# KiCad board JL.kicad_pcb (continued)
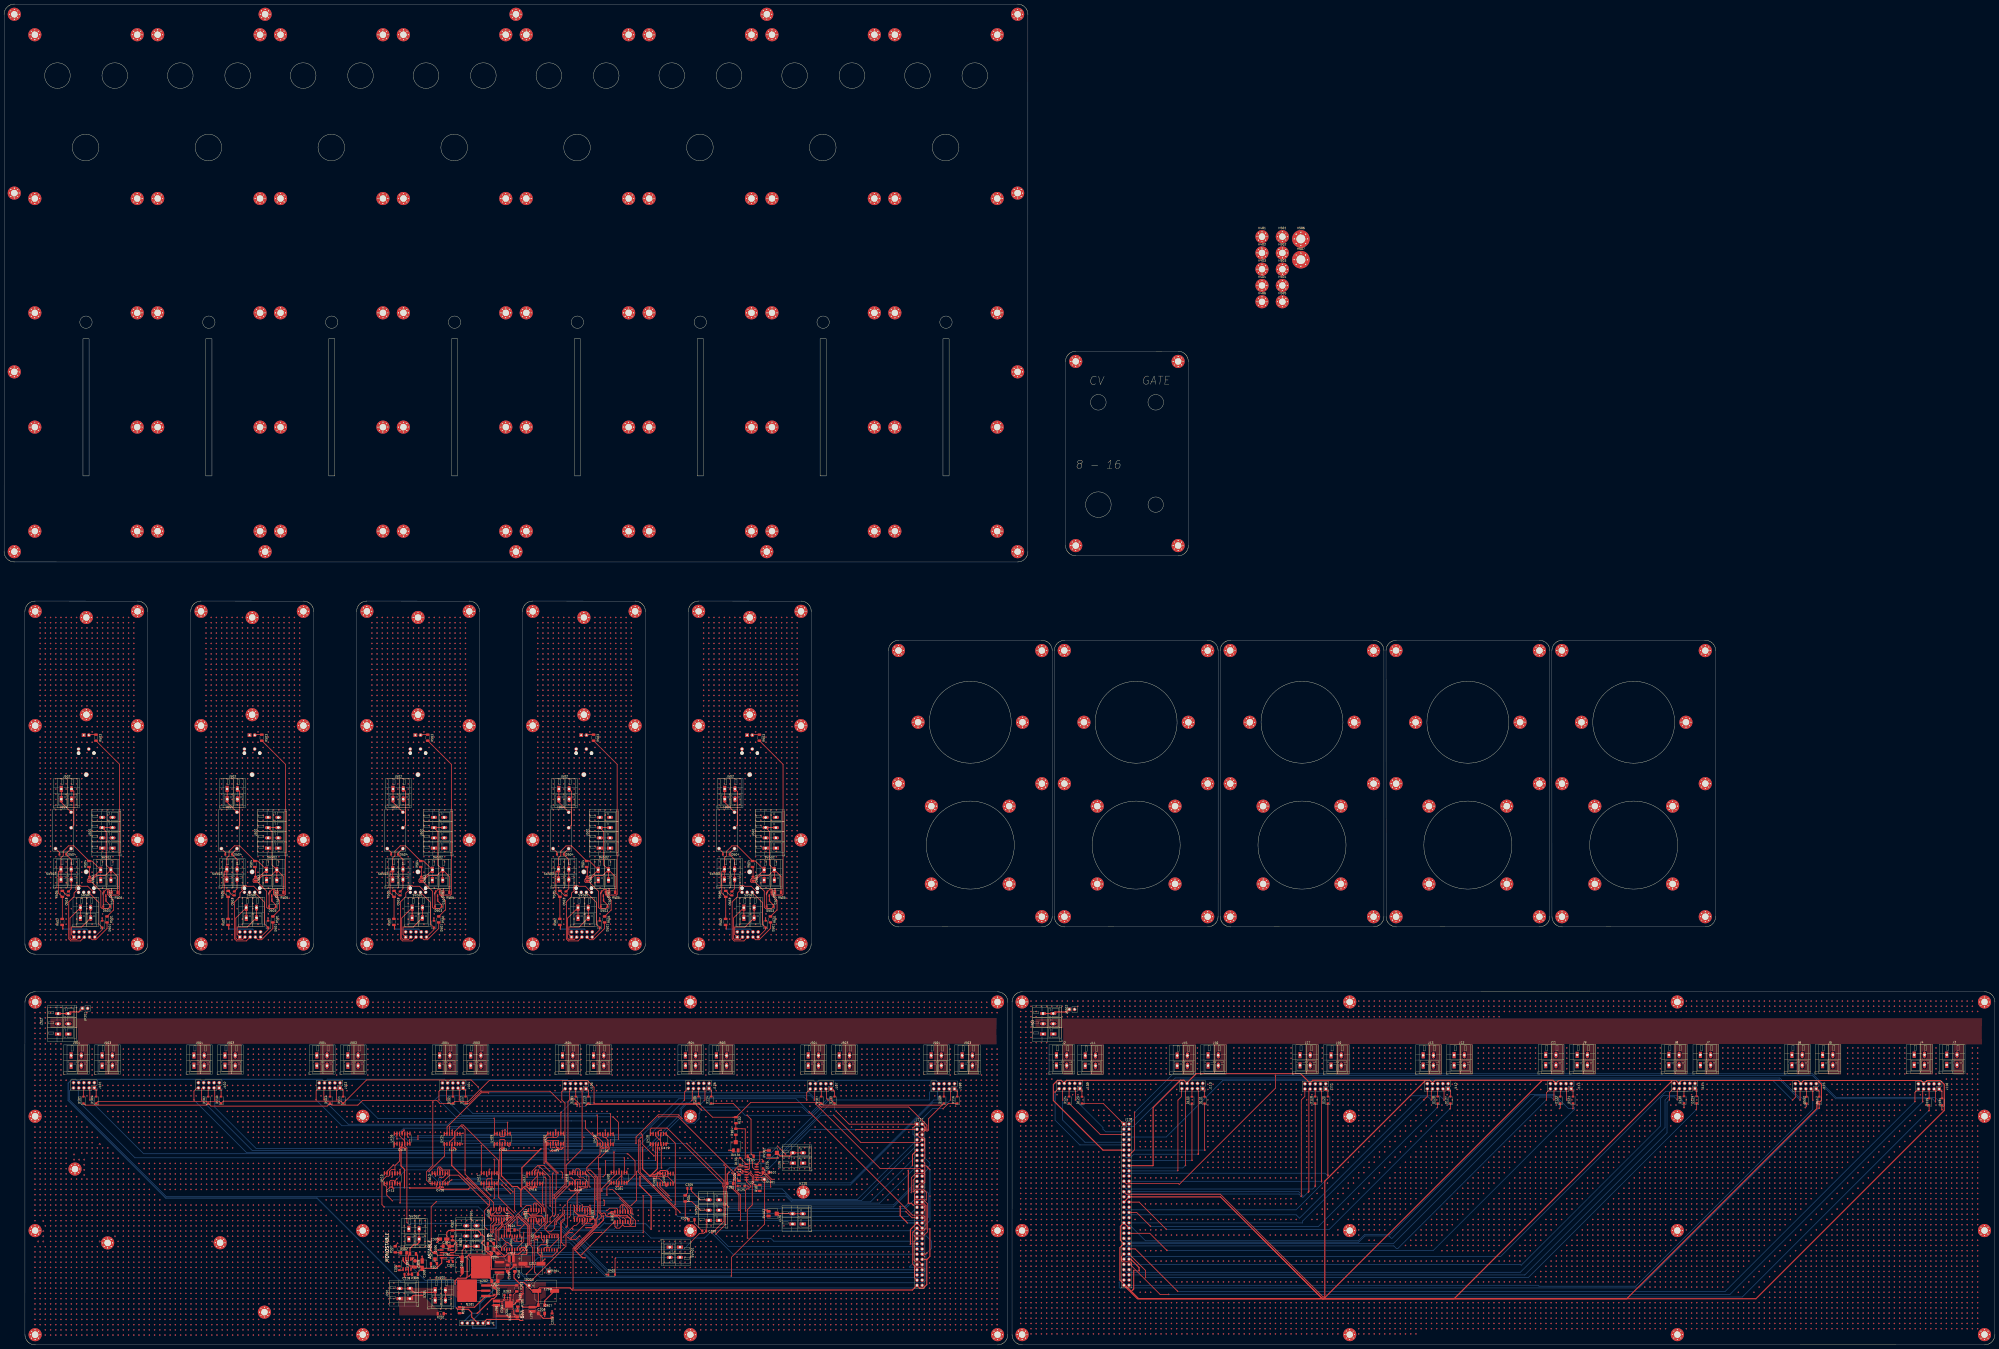
[diagram p0: board, top side]
## Routing (per net, layer and track width the routed paths; a pad name or vN(x,y) marks a point on that pad's centre or on a via; arc(x,y) is an arc through that point) (continued)
v1(370.67,162.29) v1(370.67,144.51) v1(370.67,141.97) v1(370.67,139.43) v1(370.67,136.89) v1(370.67,134.35) v1(370.67,131.81) v1(370.67,126.73) v1(370.67,124.19) v1(370.67,114.03) v1(370.67,108.95) v1(370.67,106.41) v1(370.67,103.87) v1(370.67,101.33) v1(370.67,98.79) v1(370.67,96.25) v1(370.67,50.53) v1(370.67,45.45) v1(370.67,42.91) v1(370.67,40.37) v1(370.67,37.83) v1(370.67,25.13) v1(370.67,22.59) v1(370.67,20.05) v1(370.67,17.51) v1(370.67,14.97) v1(370.67,12.43) v1(370.67,9.89) v1(370.67,7.35) v1(373.21,167.37) v1(373.21,164.83) v1(373.21,162.29) v1(373.21,144.51) v1(373.21,141.97) v1(373.21,139.43) v1(373.21,136.89) v1(373.21,134.35) v1(373.21,131.81) v1(373.21,126.73) v1(373.21,124.19) v1(373.21,114.03) v1(373.21,108.95) v1(373.21,106.41) v1(373.21,103.87) v1(373.21,101.33) v1(373.21,98.79) v1(373.21,70.85) v1(373.21,58.15) v1(373.21,50.53) v1(373.21,45.45) v1(373.21,42.91) v1(373.21,40.37) v1(373.21,37.83) v1(373.21,25.13) v1(373.21,22.59) v1(373.21,20.05) v1(373.21,17.51) v1(373.21,14.97) v1(373.21,12.43) v1(373.21,9.89) v1(373.21,7.35) v1(375.75,167.37) v1(375.75,164.83) v1(375.75,162.29) v1(375.75,144.51) v1(375.75,141.97) v1(375.75,139.43) v1(375.75,136.89) v1(375.75,134.35) v1(375.75,131.81) v1(375.75,126.73) v1(375.75,124.19) v1(375.75,114.03) v1(375.75,108.95) v1(375.75,106.41) v1(375.75,103.87) v1(375.75,101.33) v1(375.75,98.79) v1(375.75,86.09) v1(375.75,70.85) v1(375.75,58.15) v1(375.75,53.07) v1(375.75,45.45) v1(375.75,42.91) v1(375.75,40.37) v1(375.75,37.83) v1(375.75,25.13) v1(375.75,22.59) v1(375.75,20.05) v1(375.75,17.51) v1(375.75,14.97) v1(375.75,12.43) v1(375.75,9.89) v1(375.75,7.35) v1(378.29,167.37) v1(378.29,164.83) v1(378.29,162.29) v1(378.29,144.51) v1(378.29,141.97) v1(378.29,139.43) v1(378.29,136.89) v1(378.29,134.35) v1(378.29,131.81) v1(378.29,126.73) v1(378.29,124.19) v1(378.29,114.03) v1(378.29,108.95) v1(378.29,106.41) v1(378.29,103.87) v1(378.29,101.33) v1(378.29,98.79) v1(378.29,88.63) v1(378.29,86.09) v1(378.29,83.55) v1(378.29,81.01) v1(378.29,70.85) v1(378.29,58.15) v1(378.29,53.07) v1(378.29,45.45) v1(378.29,42.91) v1(378.29,40.37) v1(378.29,37.83) v1(378.29,25.13) v1(378.29,22.59) v1(378.29,20.05) v1(378.29,17.51) v1(378.29,14.97) v1(378.29,12.43) v1(378.29,9.89) v1(378.29,7.35) v1(380.83,167.37) v1(380.83,164.83) v1(380.83,162.29) v1(380.83,144.51) v1(380.83,141.97) v1(380.83,139.43) v1(380.83,136.89) v1(380.83,134.35) v1(380.83,131.81) v1(380.83,126.73) v1(380.83,124.19) v1(380.83,114.03) v1(380.83,108.95) v1(380.83,106.41) v1(380.83,103.87) v1(380.83,101.33) v1(380.83,91.17) v1(380.83,88.63) v1(380.83,86.09) v1(380.83,83.55) v1(380.83,81.01) v1(380.83,70.85) v1(380.83,58.15) v1(380.83,53.07) v1(380.83,45.45) v1(380.83,42.91) v1(380.83,40.37) v1(380.83,37.83) v1(380.83,25.13) v1(380.83,22.59) v1(380.83,20.05) v1(380.83,17.51) v1(380.83,14.97) v1(380.83,12.43) v1(380.83,9.89) v1(380.83,7.35) v1(383.37,167.37) v1(383.37,164.83) v1(383.37,162.29) v1(383.37,144.51) v1(383.37,141.97) v1(383.37,139.43) v1(383.37,136.89) v1(383.37,134.35) v1(383.37,131.81) v1(383.37,126.73) v1(383.37,124.19) v1(383.37,114.03) v1(383.37,108.95) v1(383.37,106.41) v1(383.37,103.87) v1(383.37,91.17) v1(383.37,86.09) v1(383.37,83.55) v1(383.37,81.01) v1(383.37,75.93) v1(383.37,53.07) v1(383.37,45.45) v1(383.37,42.91) v1(383.37,40.37) v1(383.37,37.83) v1(383.37,25.13) v1(383.37,22.59) v1(383.37,20.05) v1(383.37,17.51) v1(383.37,14.97) v1(383.37,12.43) v1(383.37,9.89) v1(383.37,7.35) v1(385.91,167.37) v1(385.91,164.83) v1(385.91,162.29) v1(385.91,144.51) v1(385.91,141.97) v1(385.91,139.43) v1(385.91,136.89) v1(385.91,134.35) v1(385.91,131.81) v1(385.91,126.73) v1(385.91,124.19) v1(385.91,114.03) v1(385.91,108.95) v1(385.91,106.41) v1(385.91,91.17) v1(385.91,86.09) v1(385.91,83.55) v1(385.91,81.01) v1(385.91,75.93) v1(385.91,73.39) v1(385.91,53.07) v1(385.91,45.45) v1(385.91,42.91) v1(385.91,40.37) v1(385.91,37.83) v1(385.91,25.13) v1(385.91,22.59) v1(385.91,20.05) v1(385.91,17.51) v1(385.91,14.97) v1(385.91,12.43) v1(385.91,9.89) v1(385.91,7.35) v1(388.45,167.37) v1(388.45,164.83) v1(388.45,162.29) v1(388.45,126.73) v1(388.45,124.19) v1(388.45,114.03) v1(388.45,108.95) v1(388.45,96.25) v1(388.45,91.17) v1(388.45,86.09) v1(388.45,83.55) v1(388.45,81.01) v1(388.45,53.07) v1(388.45,45.45) v1(388.45,42.91) v1(388.45,40.37) v1(388.45,37.83) v1(388.45,25.13) v1(388.45,22.59) v1(388.45,20.05) v1(388.45,17.51) v1(388.45,14.97) v1(388.45,12.43) v1(388.45,9.89) v1(388.45,7.35) v1(390.99,167.37) v1(390.99,164.83) v1(390.99,162.29) v1(390.99,126.73) v1(390.99,98.79) v1(390.99,96.25) v1(390.99,91.17) v1(390.99,86.09) v1(390.99,83.55) v1(390.99,81.01) v1(390.99,53.07) v1(390.99,45.45) v1(390.99,42.91) v1(390.99,40.37) v1(390.99,37.83) v1(390.99,25.13) v1(390.99,22.59) v1(390.99,20.05) v1(390.99,17.51) v1(390.99,14.97) v1(390.99,12.43) v1(390.99,9.89) v1(390.99,7.35) v1(393.53,167.37) v1(393.53,164.83) v1(393.53,162.29) v1(393.53,116.57) v1(393.53,101.33) v1(393.53,98.79) v1(393.53,96.25) v1(393.53,93.71) v1(393.53,91.17) v1(393.53,88.63) v1(393.53,86.09) v1(393.53,83.55) v1(393.53,81.01) v1(393.53,58.15) v1(393.53,53.07) v1(393.53,45.45) v1(393.53,42.91) v1(393.53,40.37) v1(393.53,37.83) v1(393.53,25.13) v1(393.53,22.59) v1(393.53,20.05) v1(393.53,17.51) v1(393.53,14.97) v1(393.53,12.43) v1(393.53,9.89) v1(393.53,7.35) v1(396.07,167.37) v1(396.07,164.83) v1(396.07,162.29) v1(396.07,106.41) v1(396.07,103.87) v1(396.07,101.33) v1(396.07,98.79) v1(396.07,96.25) v1(396.07,93.71) v1(396.07,91.17) v1(396.07,88.63) v1(396.07,86.09) v1(396.07,83.55) v1(396.07,81.01) v1(396.07,75.93) v1(396.07,73.39) v1(396.07,58.15) v1(396.07,53.07) v1(396.07,45.45) v1(396.07,42.91) v1(396.07,40.37) v1(396.07,37.83) v1(396.07,25.13) v1(396.07,22.59) v1(396.07,20.05) v1(396.07,17.51) v1(396.07,14.97) v1(396.07,12.43) v1(396.07,9.89) v1(396.07,7.35) v1(398.61,167.37) v1(398.61,164.83) v1(398.61,162.29) v1(398.61,103.87) v1(398.61,101.33) v1(398.61,98.79) v1(398.61,96.25) v1(398.61,93.71) v1(398.61,91.17) v1(398.61,88.63) v1(398.61,86.09) v1(398.61,83.55) v1(398.61,81.01) v1(398.61,75.93) v1(398.61,73.39) v1(398.61,58.15) v1(398.61,53.07) v1(398.61,45.45) v1(398.61,42.91) v1(398.61,40.37) v1(398.61,37.83) v1(398.61,25.13) v1(398.61,22.59) v1(398.61,20.05) v1(398.61,17.51) v1(398.61,14.97) v1(398.61,12.43) v1(398.61,9.89) v1(398.61,7.35) v1(401.15,167.37) v1(401.15,164.83) v1(401.15,162.29) v1(401.15,108.95) v1(401.15,101.33) v1(401.15,98.79) v1(401.15,96.25) v1(401.15,93.71) v1(401.15,91.17) v1(401.15,88.63) v1(401.15,86.09) v1(401.15,83.55) v1(401.15,81.01) v1(401.15,75.93) v1(401.15,73.39) v1(401.15,58.15) v1(401.15,53.07) v1(401.15,45.45) v1(401.15,42.91) v1(401.15,40.37) v1(401.15,37.83) v1(401.15,25.13) v1(401.15,22.59) v1(401.15,20.05) v1(401.15,17.51) v1(401.15,14.97) v1(401.15,12.43) v1(401.15,9.89) v1(401.15,7.35) v1(403.69,167.37) v1(403.69,164.83) v1(403.69,162.29) v1(403.69,114.03) v1(403.69,106.41) v1(403.69,98.79) v1(403.69,96.25) v1(403.69,93.71) v1(403.69,91.17) v1(403.69,88.63) v1(403.69,86.09) v1(403.69,83.55) v1(403.69,81.01) v1(403.69,75.93) v1(403.69,73.39) v1(403.69,58.15) v1(403.69,53.07) v1(403.69,45.45) v1(403.69,42.91) v1(403.69,40.37) v1(403.69,37.83) v1(403.69,25.13) v1(403.69,22.59) v1(403.69,20.05) v1(403.69,17.51) v1(403.69,14.97) v1(403.69,12.43) v1(403.69,9.89) v1(403.69,7.35) v1(406.23,167.37) v1(406.23,164.83) v1(406.23,162.29) v1(406.23,126.73) v1(406.23,103.87) v1(406.23,96.25) v1(406.23,93.71) v1(406.23,91.17) v1(406.23,88.63) v1(406.23,86.09) v1(406.23,83.55) v1(406.23,81.01) v1(406.23,75.93) v1(406.23,73.39) v1(406.23,58.15) v1(406.23,53.07) v1(406.23,45.45) v1(406.23,42.91) v1(406.23,40.37) v1(406.23,37.83) v1(406.23,25.13) v1(406.23,22.59) v1(406.23,20.05) v1(406.23,17.51) v1(406.23,14.97) v1(406.23,12.43) v1(406.23,9.89) v1(406.23,7.35) v1(408.77,167.37) v1(408.77,164.83) v1(408.77,162.29) v1(408.77,126.73) v1(408.77,124.19) v1(408.77,121.65) v1(408.77,114.03) v1(408.77,101.33) v1(408.77,93.71) v1(408.77,91.17) v1(408.77,88.63) v1(408.77,86.09) v1(408.77,83.55) v1(408.77,81.01) v1(408.77,75.93) v1(408.77,73.39) v1(408.77,58.15) v1(408.77,53.07) v1(408.77,45.45) v1(408.77,42.91) v1(408.77,40.37) v1(408.77,37.83) v1(408.77,25.13) v1(408.77,22.59) v1(408.77,20.05) v1(408.77,17.51) v1(408.77,14.97) v1(408.77,12.43) v1(408.77,9.89) v1(408.77,7.35) v1(411.31,167.37) v1(411.31,164.83) v1(411.31,162.29) v1(411.31,126.73) v1(411.31,124.19) v1(411.31,121.65) v1(411.31,114.03) v1(411.31,111.49) v1(411.31,98.79) v1(411.31,91.17) v1(411.31,88.63) v1(411.31,86.09) v1(411.31,83.55) v1(411.31,81.01) v1(411.31,75.93) v1(411.31,73.39) v1(411.31,58.15) v1(411.31,53.07) v1(411.31,45.45) v1(411.31,42.91) v1(411.31,40.37) v1(411.31,37.83) v1(411.31,25.13) v1(411.31,22.59) v1(411.31,20.05) v1(411.31,17.51) v1(411.31,14.97) v1(411.31,12.43) v1(411.31,9.89) v1(411.31,7.35) v1(413.85,167.37) v1(413.85,164.83) v1(413.85,162.29) v1(413.85,126.73) v1(413.85,124.19) v1(413.85,121.65) v1(413.85,114.03) v1(413.85,111.49) v1(413.85,108.95) v1(413.85,106.41) v1(413.85,96.25) v1(413.85,88.63) v1(413.85,86.09) v1(413.85,83.55) v1(413.85,75.93) v1(413.85,73.39) v1(413.85,58.15) v1(413.85,53.07) v1(413.85,45.45) v1(413.85,42.91) v1(413.85,40.37) v1(413.85,37.83) v1(413.85,25.13) v1(413.85,22.59) v1(413.85,20.05) v1(413.85,17.51) v1(413.85,14.97) v1(413.85,12.43) v1(413.85,9.89) v1(413.85,7.35) v1(416.39,167.37) v1(416.39,164.83) v1(416.39,162.29) v1(416.39,126.73) v1(416.39,124.19) v1(416.39,121.65) v1(416.39,114.03) v1(416.39,111.49) v1(416.39,108.95) v1(416.39,93.71) v1(416.39,86.09) v1(416.39,78.47) v1(416.39,75.93) v1(416.39,73.39) v1(416.39,58.15) v1(416.39,53.07) v1(416.39,45.45) v1(416.39,42.91) v1(416.39,40.37) v1(416.39,37.83) v1(416.39,25.13) v1(416.39,22.59) v1(416.39,20.05) v1(416.39,17.51) v1(416.39,14.97) v1(416.39,12.43) v1(416.39,9.89) v1(416.39,7.35) v1(418.93,167.37) v1(418.93,164.83) v1(418.93,162.29) v1(418.93,144.51) v1(418.93,141.97) v1(418.93,139.43) v1(418.93,136.89) v1(418.93,134.35) v1(418.93,131.81) v1(418.93,126.73) v1(418.93,124.19) v1(418.93,121.65) v1(418.93,114.03) v1(418.93,111.49) v1(418.93,108.95) v1(418.93,106.41) v1(418.93,103.87) v1(418.93,101.33) v1(418.93,91.17) v1(418.93,81.01) v1(418.93,78.47) v1(418.93,75.93) v1(418.93,58.15) v1(418.93,53.07) v1(418.93,45.45) v1(418.93,42.91) v1(418.93,40.37) v1(418.93,37.83) v1(418.93,25.13) v1(418.93,22.59) v1(418.93,20.05) v1(418.93,17.51) v1(418.93,14.97) v1(418.93,12.43) v1(418.93,9.89) v1(418.93,7.35) v1(421.47,167.37) v1(421.47,164.83) v1(421.47,162.29) v1(421.47,144.51) v1(421.47,141.97) v1(421.47,139.43) v1(421.47,136.89) v1(421.47,134.35) v1(421.47,131.81) v1(421.47,126.73) v1(421.47,124.19) v1(421.47,121.65) v1(421.47,114.03) v1(421.47,111.49) v1(421.47,108.95) v1(421.47,106.41) v1(421.47,103.87) v1(421.47,101.33) v1(421.47,96.25) v1(421.47,81.01) v1(421.47,78.47) v1(421.47,58.15) v1(421.47,53.07) v1(421.47,45.45) v1(421.47,42.91) v1(421.47,40.37) v1(421.47,37.83) v1(421.47,25.13) v1(421.47,22.59) v1(421.47,20.05) v1(421.47,17.51) v1(421.47,14.97) v1(421.47,12.43) v1(421.47,9.89) v1(421.47,7.35) v1(424.01,167.37) v1(424.01,164.83) v1(424.01,162.29) v1(424.01,144.51) v1(424.01,141.97) v1(424.01,139.43) v1(424.01,136.89) v1(424.01,134.35) v1(424.01,131.81) v1(424.01,126.73) v1(424.01,124.19) v1(424.01,121.65) v1(424.01,114.03) v1(424.01,111.49) v1(424.01,108.95) v1(424.01,106.41) v1(424.01,103.87) v1(424.01,101.33) v1(424.01,96.25) v1(424.01,93.71) v1(424.01,86.09) v1(424.01,73.39) v1(424.01,58.15) v1(424.01,53.07) v1(424.01,45.45) v1(424.01,42.91) v1(424.01,40.37) v1(424.01,37.83) v1(424.01,25.13) v1(424.01,22.59) v1(424.01,20.05) v1(424.01,17.51) v1(424.01,14.97) v1(424.01,12.43) v1(424.01,9.89) v1(424.01,7.35) v1(426.55,167.37) v1(426.55,164.83) v1(426.55,162.29) v1(426.55,144.51) v1(426.55,141.97) v1(426.55,139.43) v1(426.55,136.89) v1(426.55,134.35) v1(426.55,131.81) v1(426.55,126.73) v1(426.55,124.19) v1(426.55,121.65) v1(426.55,114.03) v1(426.55,111.49) v1(426.55,108.95) v1(426.55,106.41) v1(426.55,103.87) v1(426.55,101.33) v1(426.55,96.25) v1(426.55,83.55) v1(426.55,75.93) v1(426.55,70.85) v1(426.55,58.15) v1(426.55,53.07) v1(426.55,45.45) v1(426.55,42.91) v1(426.55,40.37) v1(426.55,37.83) v1(426.55,25.13) v1(426.55,22.59) v1(426.55,20.05) v1(426.55,17.51) v1(426.55,14.97) v1(426.55,12.43) v1(426.55,9.89) v1(426.55,7.35) v1(429.09,167.37) v1(429.09,164.83) v1(429.09,162.29) v1(429.09,144.51) v1(429.09,141.97) v1(429.09,139.43) v1(429.09,136.89) v1(429.09,134.35) v1(429.09,131.81) v1(429.09,126.73) v1(429.09,124.19) v1(429.09,121.65) v1(429.09,114.03) v1(429.09,111.49) v1(429.09,108.95) v1(429.09,106.41) v1(429.09,103.87) v1(429.09,101.33) v1(429.09,91.17) v1(429.09,88.63) v1(429.09,73.39) v1(429.09,58.15) v1(429.09,53.07) v1(429.09,45.45) v1(429.09,42.91) v1(429.09,40.37) v1(429.09,37.83) v1(429.09,25.13) v1(429.09,22.59) v1(429.09,20.05) v1(429.09,17.51) v1(429.09,14.97) v1(429.09,12.43) v1(429.09,9.89) v1(429.09,7.35) v1(431.63,167.37) v1(431.63,164.83) v1(431.63,162.29) v1(431.63,144.51) v1(431.63,141.97) v1(431.63,139.43) v1(431.63,136.89) v1(431.63,134.35) v1(431.63,131.81) v1(431.63,126.73) v1(431.63,124.19) v1(431.63,121.65) v1(431.63,114.03) v1(431.63,111.49) v1(431.63,108.95) v1(431.63,106.41) v1(431.63,103.87) v1(431.63,101.33) v1(431.63,93.71) v1(431.63,91.17) v1(431.63,88.63) v1(431.63,81.01) v1(431.63,70.85) v1(431.63,58.15) v1(431.63,53.07) v1(431.63,45.45) v1(431.63,42.91) v1(431.63,40.37) v1(431.63,37.83) v1(431.63,25.13) v1(431.63,22.59) v1(431.63,20.05) v1(431.63,17.51) v1(431.63,14.97) v1(431.63,12.43) v1(431.63,9.89) v1(431.63,7.35) v1(434.17,167.37) v1(434.17,164.83) v1(434.17,162.29) v1(434.17,144.51) v1(434.17,141.97) v1(434.17,139.43) v1(434.17,136.89) v1(434.17,134.35) v1(434.17,131.81) v1(434.17,126.73) v1(434.17,124.19) v1(434.17,121.65) v1(434.17,114.03) v1(434.17,111.49) v1(434.17,108.95) v1(434.17,106.41) v1(434.17,103.87) v1(434.17,96.25) v1(434.17,93.71) v1(434.17,91.17) v1(434.17,83.55) v1(434.17,78.47) v1(434.17,58.15) v1(434.17,53.07) v1(434.17,45.45) v1(434.17,42.91) v1(434.17,40.37) v1(434.17,37.83) v1(434.17,25.13) v1(434.17,22.59) v1(434.17,20.05) v1(434.17,17.51) v1(434.17,14.97) v1(434.17,12.43) v1(434.17,9.89) v1(434.17,7.35) v1(436.71,167.37) v1(436.71,164.83) v1(436.71,162.29) v1(436.71,144.51) v1(436.71,141.97) v1(436.71,139.43) v1(436.71,136.89) v1(436.71,134.35) v1(436.71,131.81) v1(436.71,126.73) v1(436.71,124.19) v1(436.71,121.65) v1(436.71,114.03) v1(436.71,111.49) v1(436.71,108.95) v1(436.71,106.41) v1(436.71,96.25) v1(436.71,93.71) v1(436.71,81.01) v1(436.71,75.93) v1(436.71,73.39) v1(436.71,58.15) v1(436.71,53.07) v1(436.71,45.45) v1(436.71,42.91) v1(436.71,40.37) v1(436.71,37.83) v1(436.71,25.13) v1(436.71,22.59) v1(436.71,20.05) v1(436.71,17.51) v1(436.71,14.97) v1(436.71,12.43) v1(436.71,9.89) v1(436.71,7.35) v1(439.25,167.37) v1(439.25,164.83) v1(439.25,162.29) v1(439.25,144.51) v1(439.25,141.97) v1(439.25,139.43) v1(439.25,136.89) v1(439.25,134.35) v1(439.25,131.81) v1(439.25,126.73) v1(439.25,124.19) v1(439.25,121.65) v1(439.25,114.03) v1(439.25,111.49) v1(439.25,108.95) v1(439.25,101.33) v1(439.25,96.25) v1(439.25,88.63) v1(439.25,83.55) v1(439.25,78.47) v1(439.25,75.93) v1(439.25,58.15) v1(439.25,53.07) v1(439.25,45.45) v1(439.25,42.91) v1(439.25,40.37) v1(439.25,37.83) v1(439.25,25.13) v1(439.25,22.59) v1(439.25,20.05) v1(439.25,17.51) v1(439.25,14.97) v1(439.25,12.43) v1(439.25,9.89) v1(439.25,7.35) v1(441.79,167.37) v1(441.79,164.83) v1(441.79,162.29) v1(441.79,144.51) v1(441.79,141.97) v1(441.79,139.43) v1(441.79,136.89) v1(441.79,134.35) v1(441.79,131.81) v1(441.79,126.73) v1(441.79,124.19) v1(441.79,121.65) v1(441.79,114.03) v1(441.79,111.49) v1(441.79,103.87) v1(441.79,101.33) v1(441.79,91.17) v1(441.79,45.45) v1(441.79,42.91) v1(441.79,40.37) v1(441.79,25.13) v1(441.79,22.59) v1(441.79,20.05) v1(441.79,17.51) v1(441.79,14.97) v1(441.79,12.43) v1(441.79,9.89) v1(441.79,7.35) v1(444.33,167.37) v1(444.33,164.83) v1(444.33,162.29) v1(444.33,144.51) v1(444.33,141.97) v1(444.33,139.43) v1(444.33,136.89) v1(444.33,134.35) v1(444.33,131.81) v1(444.33,126.73) v1(444.33,124.19) v1(444.33,121.65) v1(444.33,25.13) v1(444.33,22.59) v1(444.33,20.05) v1(444.33,17.51) v1(444.33,14.97) v1(444.33,12.43) v1(444.33,9.89) v1(444.33,7.35) v1(446.87,167.37) v1(446.87,164.83) v1(446.87,162.29) v1(446.87,144.51) v1(446.87,141.97) v1(446.87,139.43) v1(446.87,136.89) v1(446.87,134.35) v1(446.87,131.81) v1(446.87,126.73) v1(446.87,124.19) v1(446.87,121.65) v1(446.87,25.13) v1(446.87,22.59) v1(446.87,20.05) v1(446.87,17.51) v1(446.87,14.97) v1(446.87,12.43) v1(446.87,9.89) v1(446.87,7.35) v1(449.41,167.37) v1(449.41,164.83) v1(449.41,162.29) v1(449.41,126.73) v1(449.41,124.19) v1(449.41,121.65) v1(449.41,25.13) v1(449.41,22.59) v1(449.41,20.05) v1(449.41,17.51) v1(449.41,14.97) v1(449.41,12.43) v1(449.41,9.89) v1(449.41,7.35) v1(451.95,167.37) v1(451.95,164.83) v1(451.95,162.29) v1(451.95,126.73) v1(451.95,101.33) v1(451.95,98.79) v1(451.95,96.25) v1(451.95,93.71) v1(451.95,91.17) v1(451.95,40.37) v1(451.95,37.83) v1(451.95,35.29) v1(451.95,32.75) v1(451.95,30.21) v1(451.95,27.67) v1(451.95,25.13) v1(451.95,22.59) v1(451.95,20.05) v1(451.95,17.51) v1(451.95,14.97) v1(451.95,12.43) v1(451.95,9.89) v1(451.95,7.35) v1(454.49,167.37) v1(454.49,164.83) v1(454.49,162.29) v1(454.49,121.65) v1(454.49,108.95) v1(454.49,106.41) v1(454.49,103.87) v1(454.49,101.33) v1(454.49,98.79) v1(454.49,96.25) v1(454.49,93.71) v1(454.49,91.17) v1(454.49,88.63) v1(454.49,86.09) v1(454.49,83.55) v1(454.49,81.01) v1(454.49,78.47) v1(454.49,75.93) v1(454.49,73.39) v1(454.49,70.85) v1(454.49,68.31) v1(454.49,65.77) v1(454.49,63.23) v1(454.49,60.69) v1(454.49,58.15) v1(454.49,55.61) v1(454.49,53.07) v1(454.49,50.53) v1(454.49,47.99) v1(454.49,45.45) v1(454.49,42.91) v1(454.49,40.37) v1(454.49,37.83) v1(454.49,35.29) v1(454.49,32.75) v1(454.49,30.21) v1(454.49,27.67) v1(454.49,25.13) v1(454.49,22.59) v1(454.49,20.05) v1(454.49,17.51) v1(454.49,14.97) v1(454.49,12.43) v1(454.49,9.89) v1(454.49,7.35) v1(457.03,167.37) v1(457.03,164.83) v1(457.03,162.29) v1(457.03,121.65) v1(457.03,111.49) v1(457.03,108.95) v1(457.03,106.41) v1(457.03,103.87) v1(457.03,101.33) v1(457.03,98.79) v1(457.03,96.25) v1(457.03,93.71) v1(457.03,91.17) v1(457.03,88.63) v1(457.03,86.09) v1(457.03,83.55) v1(457.03,81.01) v1(457.03,78.47) v1(457.03,75.93) v1(457.03,73.39) v1(457.03,70.85) v1(457.03,68.31) v1(457.03,65.77) v1(457.03,63.23) v1(457.03,60.69) v1(457.03,58.15) v1(457.03,55.61) v1(457.03,53.07) v1(457.03,50.53) v1(457.03,47.99) v1(457.03,45.45) v1(457.03,42.91) v1(457.03,40.37) v1(457.03,37.83) v1(457.03,35.29) v1(457.03,32.75) v1(457.03,30.21) v1(457.03,27.67) v1(457.03,25.13) v1(457.03,22.59) v1(457.03,20.05) v1(457.03,17.51) v1(457.03,14.97) v1(457.03,12.43) v1(457.03,9.89) v1(457.03,7.35) v1(459.57,167.37) v1(459.57,164.83) v1(459.57,162.29) v1(459.57,111.49) v1(459.57,108.95) v1(459.57,106.41) v1(459.57,103.87) v1(459.57,101.33) v1(459.57,98.79) v1(459.57,96.25) v1(459.57,93.71) v1(459.57,91.17) v1(459.57,88.63) v1(459.57,86.09) v1(459.57,83.55) v1(459.57,81.01) v1(459.57,78.47) v1(459.57,75.93) v1(459.57,73.39) v1(459.57,70.85) v1(459.57,68.31) v1(459.57,65.77) v1(459.57,63.23) v1(459.57,60.69) v1(459.57,58.15) v1(459.57,55.61) v1(459.57,53.07) v1(459.57,50.53) v1(459.57,47.99) v1(459.57,45.45) v1(459.57,42.91) v1(459.57,40.37) v1(459.57,37.83) v1(459.57,35.29) v1(459.57,32.75) v1(459.57,30.21) v1(459.57,27.67) v1(459.57,25.13) v1(459.57,22.59) v1(459.57,20.05) v1(459.57,17.51) v1(459.57,14.97) v1(459.57,12.43) v1(459.57,9.89) v1(459.57,7.35) v1(462.11,167.37) v1(462.11,164.83) v1(462.11,162.29) v1(462.11,144.51) v1(462.11,141.97) v1(462.11,139.43) v1(462.11,136.89) v1(462.11,134.35) v1(462.11,131.81) v1(462.11,116.57) v1(462.11,114.03) v1(462.11,111.49) v1(462.11,108.95) v1(462.11,106.41) v1(462.11,103.87) v1(462.11,101.33) v1(462.11,98.79) v1(462.11,96.25) v1(462.11,93.71) v1(462.11,91.17) v1(462.11,88.63) v1(462.11,86.09) v1(462.11,83.55) v1(462.11,81.01) v1(462.11,78.47) v1(462.11,75.93) v1(462.11,73.39) v1(462.11,70.85) v1(462.11,68.31) v1(462.11,65.77) v1(462.11,63.23) v1(462.11,60.69) v1(462.11,58.15) v1(462.11,55.61) v1(462.11,53.07) v1(462.11,50.53) v1(462.11,47.99) v1(462.11,45.45) v1(462.11,42.91) v1(462.11,40.37) v1(462.11,37.83) v1(462.11,35.29) v1(462.11,32.75) v1(462.11,30.21) v1(462.11,27.67) v1(462.11,25.13) v1(462.11,22.59) v1(462.11,20.05) v1(462.11,17.51) v1(462.11,14.97) v1(462.11,12.43) v1(462.11,9.89) v1(462.11,7.35) v1(464.65,167.37) v1(464.65,164.83) v1(464.65,162.29) v1(464.65,116.57) v1(464.65,114.03) v1(464.65,111.49) v1(464.65,108.95) v1(464.65,106.41) v1(464.65,103.87) v1(464.65,101.33) v1(464.65,98.79) v1(464.65,96.25) v1(464.65,93.71) v1(464.65,91.17) v1(464.65,88.63) v1(464.65,86.09) v1(464.65,83.55) v1(464.65,81.01) v1(464.65,78.47) v1(464.65,75.93) v1(464.65,73.39) v1(464.65,70.85) v1(464.65,68.31) v1(464.65,65.77) v1(464.65,63.23) v1(464.65,60.69) v1(464.65,58.15) v1(464.65,55.61) v1(464.65,53.07) v1(464.65,50.53) v1(464.65,47.99) v1(464.65,45.45) v1(464.65,42.91) v1(464.65,40.37) v1(464.65,37.83) v1(464.65,35.29) v1(464.65,32.75) v1(464.65,30.21) v1(464.65,27.67) v1(464.65,25.13) v1(464.65,22.59) v1(464.65,20.05) v1(464.65,17.51) v1(464.65,14.97) v1(464.65,12.43) v1(464.65,9.89) v1(464.65,7.35) v1(467.19,167.37) v1(467.19,164.83) v1(467.19,162.29) v1(467.19,129.27) v1(467.19,126.73) v1(467.19,124.19) v1(467.19,121.65) v1(467.19,119.11) v1(467.19,116.57) v1(467.19,114.03) v1(467.19,111.49) v1(467.19,108.95) v1(467.19,106.41) v1(467.19,103.87) v1(467.19,101.33) v1(467.19,98.79) v1(467.19,96.25) v1(467.19,93.71) v1(467.19,91.17) v1(467.19,88.63) v1(467.19,86.09) v1(467.19,83.55) v1(467.19,81.01) v1(467.19,78.47) v1(467.19,75.93) v1(467.19,73.39) v1(467.19,70.85) v1(467.19,68.31) v1(467.19,65.77) v1(467.19,63.23) v1(467.19,60.69) v1(467.19,58.15) v1(467.19,55.61) v1(467.19,53.07) v1(467.19,50.53) v1(467.19,47.99) v1(467.19,45.45) v1(467.19,42.91) v1(467.19,40.37) v1(467.19,37.83) v1(467.19,35.29) v1(467.19,32.75) v1(467.19,30.21) v1(467.19,27.67) v1(467.19,25.13) v1(467.19,22.59) v1(467.19,20.05) v1(467.19,17.51) v1(467.19,14.97) v1(467.19,12.43) v1(467.19,9.89) v1(467.19,7.35) v1(469.73,167.37) v1(469.73,164.83) v1(469.73,162.29) v1(469.73,129.27) v1(469.73,126.73) v1(469.73,124.19) v1(469.73,121.65) v1(469.73,119.11) v1(469.73,116.57) v1(469.73,114.03) v1(469.73,111.49) v1(469.73,108.95) v1(469.73,106.41) v1(469.73,103.87) v1(469.73,101.33) v1(469.73,98.79) v1(469.73,96.25) v1(469.73,93.71) v1(469.73,91.17) v1(469.73,88.63) v1(469.73,86.09) v1(469.73,83.55) v1(469.73,81.01) v1(469.73,78.47) v1(469.73,75.93) v1(469.73,73.39) v1(469.73,70.85) v1(469.73,68.31) v1(469.73,65.77) v1(469.73,63.23) v1(469.73,60.69) v1(469.73,58.15) v1(469.73,55.61) v1(469.73,53.07) v1(469.73,50.53) v1(469.73,47.99) v1(469.73,45.45) v1(469.73,42.91) v1(469.73,40.37) v1(469.73,37.83) v1(469.73,35.29) v1(469.73,32.75) v1(469.73,30.21) v1(469.73,27.67) v1(469.73,25.13) v1(469.73,22.59) v1(469.73,20.05) v1(469.73,17.51) v1(469.73,14.97) v1(469.73,12.43) v1(469.73,9.89) v1(469.73,7.35) v1(472.27,167.37) v1(472.27,164.83) v1(472.27,162.29) v1(472.27,129.27) v1(472.27,126.73) v1(472.27,124.19) v1(472.27,121.65) v1(472.27,119.11) v1(472.27,116.57) v1(472.27,114.03) v1(472.27,111.49) v1(472.27,108.95) v1(472.27,106.41) v1(472.27,103.87) v1(472.27,101.33) v1(472.27,98.79) v1(472.27,96.25) v1(472.27,93.71) v1(472.27,91.17) v1(472.27,88.63) v1(472.27,86.09) v1(472.27,83.55) v1(472.27,81.01) v1(472.27,78.47) v1(472.27,75.93) v1(472.27,73.39) v1(472.27,70.85) v1(472.27,68.31) v1(472.27,65.77) v1(472.27,63.23) v1(472.27,60.69) v1(472.27,58.15) v1(472.27,55.61) v1(472.27,53.07) v1(472.27,50.53) v1(472.27,47.99) v1(472.27,45.45) v1(472.27,42.91) v1(472.27,40.37) v1(472.27,37.83) v1(472.27,35.29) v1(472.27,32.75) v1(472.27,30.21) v1(472.27,27.67) v1(472.27,25.13) v1(472.27,22.59) v1(472.27,20.05) v1(472.27,17.51) v1(472.27,14.97) v1(472.27,12.43) v1(472.27,9.89) v1(472.27,7.35) v1(474.81,167.37) v1(474.81,164.83) v1(474.81,162.29) v1(474.81,129.27) v1(474.81,126.73) v1(474.81,124.19) v1(474.81,121.65) v1(474.81,119.11) v1(474.81,116.57) v1(474.81,114.03) v1(474.81,111.49) v1(474.81,108.95) v1(474.81,106.41) v1(474.81,103.87) v1(474.81,101.33) v1(474.81,98.79) v1(474.81,96.25) v1(474.81,93.71) v1(474.81,91.17) v1(474.81,88.63) v1(474.81,86.09) v1(474.81,83.55) v1(474.81,81.01) v1(474.81,78.47) v1(474.81,75.93) v1(474.81,73.39) v1(474.81,70.85) v1(474.81,68.31) v1(474.81,65.77) v1(474.81,63.23) v1(474.81,60.69) v1(474.81,58.15) v1(474.81,55.61) v1(474.81,53.07) v1(474.81,50.53) v1(474.81,47.99) v1(474.81,45.45) v1(474.81,42.91) v1(474.81,40.37) v1(474.81,37.83) v1(474.81,35.29) v1(474.81,32.75) v1(474.81,30.21) v1(474.81,27.67) v1(474.81,25.13) v1(474.81,22.59) v1(474.81,20.05) v1(474.81,17.51) v1(474.81,14.97) v1(474.81,12.43) v1(474.81,9.89) v1(474.81,7.35) v1(477.35,167.37) v1(477.35,164.83) v1(477.35,162.29) v1(477.35,131.81) v1(477.35,129.27) v1(477.35,126.73) v1(477.35,124.19) v1(477.35,121.65) v1(477.35,119.11) v1(477.35,116.57) v1(477.35,114.03) v1(477.35,111.49) v1(477.35,108.95) v1(477.35,106.41) v1(477.35,103.87) v1(477.35,101.33) v1(477.35,98.79) v1(477.35,96.25) v1(477.35,93.71) v1(477.35,91.17) v1(477.35,88.63) v1(477.35,86.09) v1(477.35,83.55) v1(477.35,81.01) v1(477.35,78.47) v1(477.35,75.93) v1(477.35,73.39) v1(477.35,70.85) v1(477.35,68.31) v1(477.35,65.77) v1(477.35,63.23) v1(477.35,60.69) v1(477.35,58.15) v1(477.35,55.61) v1(477.35,53.07) v1(477.35,50.53) v1(477.35,47.99) v1(477.35,45.45) v1(477.35,42.91) v1(477.35,40.37) v1(477.35,37.83) v1(477.35,35.29) v1(477.35,32.75) v1(477.35,30.21) v1(477.35,27.67) v1(477.35,25.13) v1(477.35,22.59) v1(477.35,20.05) v1(477.35,17.51) v1(477.35,14.97) v1(477.35,12.43) v1(477.35,9.89) v1(477.35,7.35) v1(479.89,167.37) v1(479.89,164.83) v1(479.89,162.29) v1(479.89,144.51) v1(479.89,141.97) v1(479.89,139.43) v1(479.89,136.89) v1(479.89,134.35) v1(479.89,131.81) v1(479.89,129.27) v1(479.89,126.73) v1(479.89,124.19) v1(479.89,121.65) v1(479.89,119.11) v1(479.89,116.57) v1(479.89,114.03) v1(479.89,111.49) v1(479.89,108.95) v1(479.89,106.41) v1(479.89,103.87) v1(479.89,101.33) v1(479.89,98.79) v1(479.89,96.25) v1(479.89,93.71) v1(479.89,91.17) v1(479.89,88.63) v1(479.89,86.09) v1(479.89,83.55) v1(479.89,81.01) v1(479.89,78.47) v1(479.89,75.93) v1(479.89,73.39) v1(479.89,70.85) v1(479.89,68.31) v1(479.89,65.77) v1(479.89,63.23) v1(479.89,60.69) v1(479.89,58.15) v1(479.89,55.61) v1(479.89,53.07) v1(479.89,50.53) v1(479.89,47.99) v1(479.89,45.45) v1(479.89,42.91) v1(479.89,40.37) v1(479.89,37.83) v1(479.89,35.29) v1(479.89,32.75) v1(479.89,30.21) v1(479.89,27.67) v1(479.89,25.13) v1(479.89,22.59) v1(479.89,20.05) v1(479.89,17.51) v1(479.89,14.97) v1(479.89,12.43) v1(479.89,9.89) v1(479.89,7.35) v1(482.43,162.29) v1(482.43,144.51) v1(482.43,141.97) v1(482.43,139.43) v1(482.43,136.89) v1(482.43,134.35) v1(482.43,131.81) v1(482.43,129.27) v1(482.43,126.73) v1(482.43,124.19) v1(482.43,121.65) v1(482.43,119.11) v1(482.43,116.57) v1(482.43,106.41) v1(482.43,103.87) v1(482.43,101.33) v1(482.43,98.79) v1(482.43,96.25) v1(482.43,93.71) v1(482.43,91.17) v1(482.43,88.63) v1(482.43,86.09) v1(482.43,83.55) v1(482.43,81.01) v1(482.43,78.47) v1(482.43,75.93) v1(482.43,73.39) v1(482.43,70.85) v1(482.43,68.31) v1(482.43,65.77) v1(482.43,63.23) v1(482.43,60.69) v1(482.43,50.53) v1(482.43,47.99) v1(482.43,45.45) v1(482.43,42.91) v1(482.43,40.37) v1(482.43,37.83) v1(482.43,35.29) v1(482.43,32.75) v1(482.43,30.21) v1(482.43,27.67) v1(482.43,25.13) v1(482.43,22.59) v1(482.43,20.05) v1(482.43,17.51) v1(482.43,14.97) v1(482.43,12.43) v1(482.43,9.89) v1(484.97,162.29) v1(484.97,144.51) v1(484.97,141.97) v1(484.97,139.43) v1(484.97,136.89) v1(484.97,134.35) v1(484.97,131.81) v1(484.97,129.27) v1(484.97,126.73) v1(484.97,124.19) v1(484.97,121.65) v1(484.97,119.11) v1(484.97,116.57) v1(484.97,106.41) v1(484.97,103.87) v1(484.97,101.33) v1(484.97,98.79) v1(484.97,96.25) v1(484.97,93.71) v1(484.97,91.17) v1(484.97,88.63) v1(484.97,86.09) v1(484.97,83.55) v1(484.97,81.01) v1(484.97,78.47) v1(484.97,75.93) v1(484.97,73.39) v1(484.97,70.85) v1(484.97,68.31) v1(484.97,65.77) v1(484.97,63.23) v1(484.97,60.69) v1(484.97,50.53) v1(484.97,47.99) v1(484.97,45.45) v1(484.97,42.91) v1(484.97,40.37) v1(484.97,37.83) v1(484.97,35.29) v1(484.97,32.75) v1(484.97,30.21) v1(484.97,27.67) v1(484.97,25.13) v1(484.97,22.59) v1(484.97,20.05) v1(484.97,17.51) v1(484.97,14.97) v1(484.97,12.43) v1(484.97,9.89) v2(16.66,50.53) v2(19.16,60.53) v2(19.16,55.53) v2(19.16,53.03) v2(19.16,50.53) v2(34.16,93.03) v2(34.16,90.53) v2(36.66,90.53) v2(39.16,90.53) v2(39.16,88.03) v2(39.16,85.53) v2(39.16,83.03) v2(46.66,98.03) v2(46.66,98.03) v2(46.66,50.53) v2(54.16,53.03) v2(101.66,53.03) v2(101.66,50.53) v2(109.16,53.03) v2(195.88,95.78)
